# Altium PCB KOntroler v.1.1.PcbDoc (part 2 of 2)
Units mm, origin at the board's own origin, x right, y up, seen from the top; angles counter-clockwise.
Board outline 132.08 x 83 mm, 2 copper layers (Top Layer, Bottom Layer); 116 components, 97 nets, 484 pads, 241 vias.
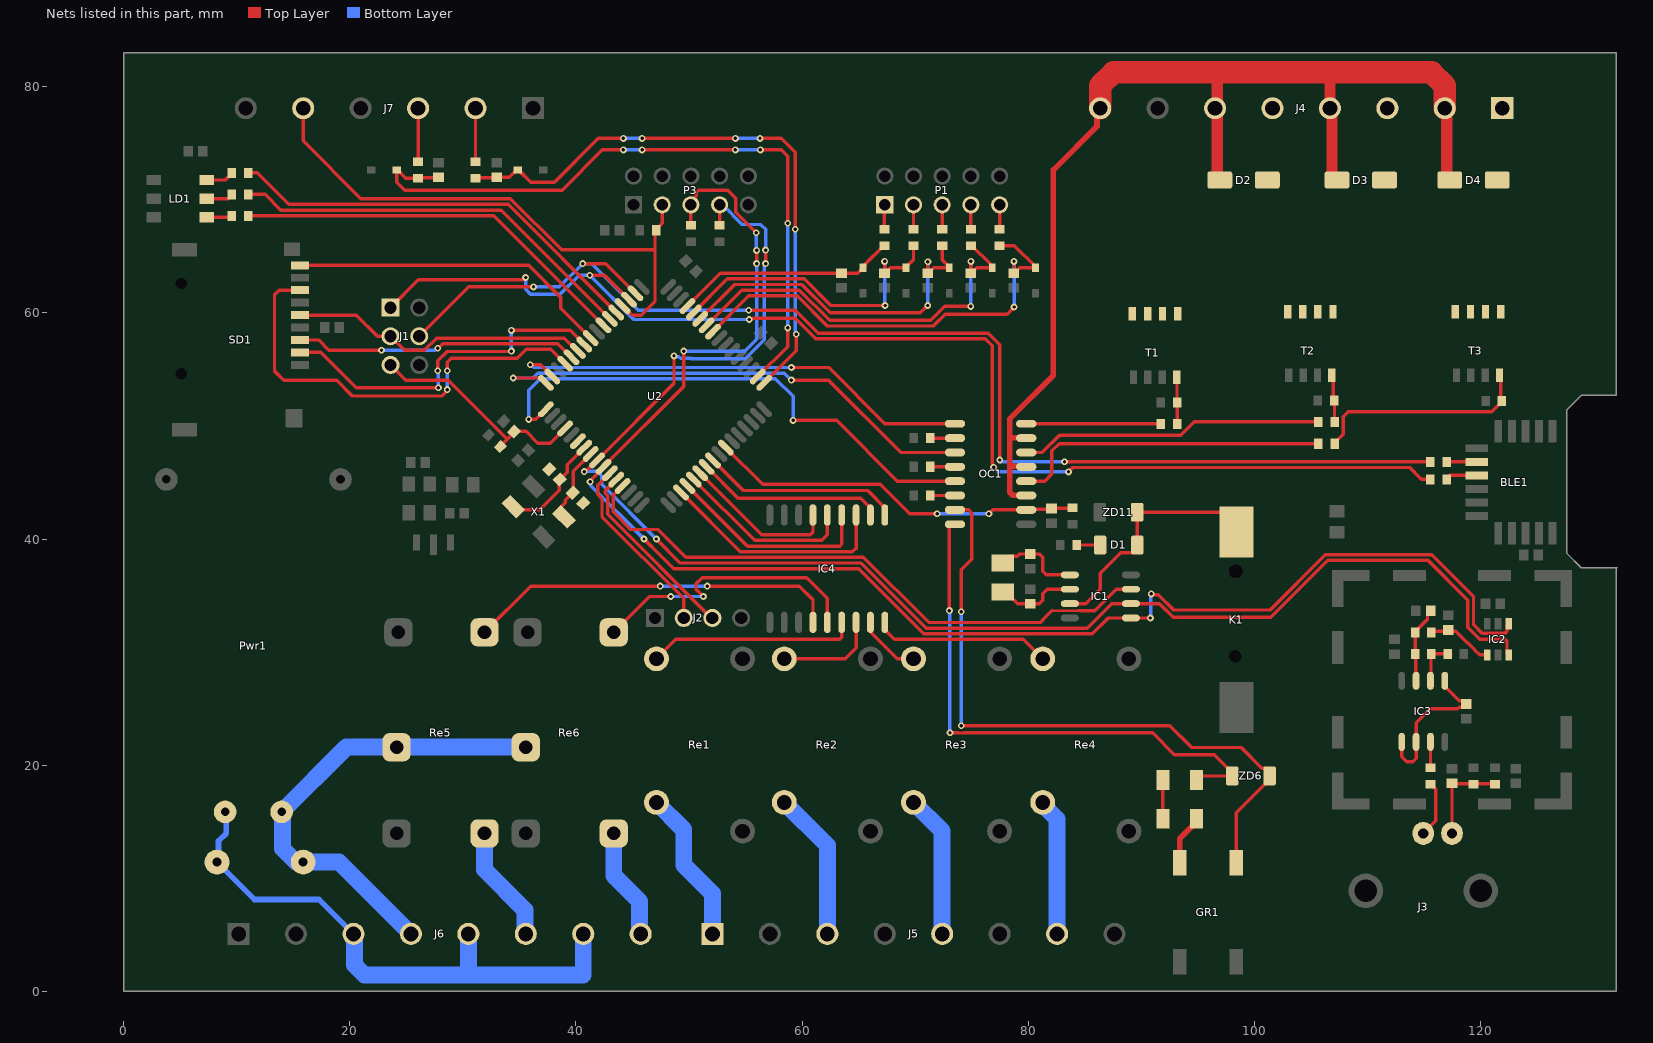
[diagram p2: the nets of this part, all layers, seen from the top]

## Via types
v1: diameter 0.6, hole 0.3, Top Layer to Bottom Layer, tented both sides, 225 vias
v2: diameter 0.6, hole 0.3, Top Layer to Bottom Layer, 10 vias
v3: diameter 7, hole 7, Top Layer to Bottom Layer, tented both sides, 4 vias
v4: diameter 1, hole 0.5, Top Layer to Bottom Layer, tented both sides, 2 vias

## Nets (pads, with @x,y where several pads share a name; then routed paths per layer and width w, separated by ;. In a path a pad name is that pad's centre, name@x,y a point inside that pad or via, vN(x,y) a via of type N, cw(c..) or ccw(c..) an arc to the next point about the centre after c; other vN are vias at no path point) (continued)
GND2: D2.1 D3.1 D4.1 J4.2 J4.4 J4.6 J4.8 OC1.11 OC1.13 OC1.15 | length 103.7
  Top Layer w0.5: OC1.11@79.818,43.85 79.78,43.888 78.604,43.888 78.35,44.143 78.35,46.428 78.35,46.613 ; OC1.13@79.818,46.39 79.78,46.428 78.534,46.428 78.35,46.613 ; OC1.15@79.818,48.93 79.78,48.968 78.407,48.968 78.35,49.025 ; J4.8@86.36,78.105 86.083,77.828 86.083,76.514 82.218,72.649 82.218,54.49 78.35,50.622 78.35,49.025 ; 78.35,46.613 78.35,49.025
  Top Layer w1: 96.702,81.28 96.702,78.287 J4.6@96.52,78.105 96.702,77.923 96.702,71.998 D2.1@96.945,71.755 ; 106.397,81.28 106.68,80.997 J4.4@106.68,78.105 106.862,77.923 106.862,72.005 107.112,71.755 D3.1@107.31,71.755 ; J4.2@116.84,78.105 117.022,77.923 117.022,72.005 117.272,71.755 D4.1@117.28,71.755
  Top Layer w2: J4.8@86.36,78.105 86.36,80.108 87.532,81.28 96.702,81.28 106.397,81.28 115.668,81.28 116.84,80.108 J4.2@116.84,78.105
GND_X: C17.1 C18.1 U2.22
NetBLE1_7: BLE1.7 R10.1 | length 2.7
  Top Layer w0.3: R10.1@117.001,46.83 BLE1.7@119.665,46.83
NetBLE1_8: BLE1.8 R11.1 | length 2.9
  Top Layer w0.3: R11.1@117,45.28 117,45.355 117.275,45.63 BLE1.8@119.665,45.63
NetC6_1: C6.1 R4.1 U2.61 ZD1.2 | length 19.8
  Top Layer w0.3: U2.61@49.854,60.604 52.765,63.515 C6.1@63.481,63.515 64.911,63.515 65.161,63.765 65.236,63.765 65.386,63.915 ZD1.2@65.386,63.99 65.536,64.14 65.536,64.284 67.203,65.95 R4.1@67.278,65.95
NetC7_1: C7.1 R5.1 U2.60 ZD2.2 | length 28.4
  Top Layer w0.3: U2.60@50.419,60.038 53.396,63.015 60.172,63.015 62.53,60.657 v1(67.341,60.657) ; v1(67.291,64.559) C7.1@67.291,63.515 67.341,63.515 67.816,63.99 ZD2.2@69.196,63.99 69.196,64.065 69.85,64.719 R5.1@69.85,65.95
  Bottom Layer w0.3: v1(67.291,64.559) 67.316,64.534 67.316,60.682 v1(67.341,60.657)
NetC8_1: C8.1 R6.1 U2.59 ZD3.2 | length 31.9
  Top Layer w0.3: U2.59@50.985,59.473 54.028,62.515 59.965,62.515 62.473,60.007 70.451,60.007 v1(71.101,60.657) ; v1(71.12,64.534) 71.12,63.534 C8.1@71.101,63.515 71.151,63.515 71.626,63.99 ZD3.2@73.006,63.99 73.006,64.065 72.39,64.681 R6.1@72.39,65.95
  Bottom Layer w0.3: v1(71.101,60.657) 71.111,60.666 71.111,64.525 v1(71.12,64.534)
NetC9_1: C9.1 R7.1 U2.58 ZD4.2 | length 36.2
  Top Layer w0.3: U2.58@51.551,58.907 54.659,62.015 59.758,62.015 62.429,59.344 71.387,59.344 72.618,60.575 v1(74.911,60.575) ; v1(74.93,64.559) 74.93,63.534 C9.1@74.911,63.515 74.961,63.515 75.436,63.99 ZD4.2@76.816,63.99 76.666,64.14 76.666,64.289 75.005,65.95 R7.1@74.93,65.95
  Bottom Layer w0.3: v1(74.911,60.575) 74.921,60.584 74.921,64.55 v1(74.93,64.559)
NetC10_1: C10.1 R8.1 U2.57 ZD5.2 | length 41
  Top Layer w0.3: U2.57@52.117,58.341 55.29,61.515 59.551,61.515 62.222,58.844 71.594,58.844 72.647,59.897 78.123,59.897 v1(78.75,60.524) ; R8.1@77.47,65.95 78.76,65.95 80.645,64.065 ZD5.2@80.645,63.99 79.246,63.99 78.771,63.515 C10.1@78.721,63.515 78.74,63.534 v1(78.74,64.559)
  Bottom Layer w0.3: v1(78.74,64.559) 78.745,64.554 78.745,60.529 v1(78.75,60.524)
NetC11_2: C11.2 J1.5 R9.1 U2.20 | length 20.4
  Top Layer w0.3: J1.5@23.595,55.397 24.947,54.045 28.706,54.045 33.912,48.839 ; R9.1@33.304,48.178 33.304,48.231 33.912,48.839 ; U2.20@39.035,49.785 37.74,48.49 36.635,48.49 35.589,49.536 34.556,49.536 C11.2@34.521,49.501 34.521,49.448 33.912,48.839
NetC14_1: C14.1 R13.1 U2.50 ZD7.2 | length 62.2
  Top Layer w0.3: C14.1@27.832,71.992 27.794,71.955 26.075,71.955 R13.1@26.037,71.917 24.954,71.917 24.229,72.642 ZD7.2@24.154,72.642 24.154,71.567 24.856,70.866 38.78,70.866 42.336,74.422 v1(44.194,74.422) ; v1(45.845,74.422) v1(54.102,74.422) ; U2.50@56.076,54.381 58.72,57.025 v1(58.72,58.677) ; v1(56.306,74.422) 58.166,74.422 58.72,73.868 v1(58.72,67.93)
  Bottom Layer w0.3: v1(44.194,74.422) v1(45.845,74.422) ; v1(54.102,74.422) v1(56.306,74.422) ; v1(58.72,58.677) v1(58.72,67.93)
NetC15_1: C15.1 R12.1 U2.49 ZD8.2 | length 52.7
  Top Layer w0.3: R12.1@31.115,71.917 31.152,71.955 32.948,71.955 C15.1@32.986,71.992 34.113,71.992 34.763,72.642 ZD8.2@34.838,72.642 34.913,72.642 35.988,71.568 38.098,71.568 41.969,75.438 v1(44.194,75.438) ; v1(45.845,75.438) v1(54.102,75.438) ; v1(56.271,75.438) 58.166,75.438 59.39,74.214 v1(59.39,67.4) ; U2.49@56.642,53.816 59.478,56.652 v1(59.478,58.111)
  Bottom Layer w0.3: v1(44.194,75.438) v1(45.845,75.438) ; v1(54.102,75.438) v1(56.271,75.438) ; v1(59.39,67.4) 59.39,58.199 v1(59.478,58.111)
NetC17_2: C17.2 U2.24 X1.2 | length 6.8
  Top Layer w0.3: X1.2@38.94,41.967 38.657,42.25 38.657,42.816 39.067,43.225 39.067,43.445 C17.2@39.721,44.099 39.756,44.135 39.756,45.981 U2.24@41.298,47.522
NetC18_2: C18.2 U2.23 X1.1 | length 9.6
  Top Layer w0.3: X1.1@34.45,42.865 34.733,42.582 36.8,42.582 38.524,44.306 38.524,45.225 C18.2@38.56,45.26 39.223,45.924 39.223,46.579 U2.23@40.732,48.088
NetC26_1: C26.1 IC1.1 X2.2 | length 7.8
  Top Layer w0.3: X2.2@77.75,37.866 78.35,38.466 79.041,38.466 79.255,38.68 C26.1@80.18,38.68 80.982,38.68 81.28,38.382 81.28,37.145 81.595,36.83 IC1.1@83.68,36.83
NetC27_1: C27.1 IC1.2 X2.1 | length 7.2
  Top Layer w0.3: X2.1@77.75,35.326 78,35.326 79.051,34.275 C27.1@80.18,34.275 80.965,34.275 81.28,34.59 81.28,35.157 81.683,35.56 IC1.2@83.68,35.56
NetC28_2: C28.2 IC3.1 IC3.2 IC3.5 | length 14.2
  Top Layer w0.3: IC3.1@113.03,22.065 113.03,20.75 113.46,20.32 114.01,20.32 114.3,20.61 IC3.2@114.3,22.065 114.3,23.735 115.555,24.99 117.95,24.99 118.1,25.14 118.47,25.14 C28.2@118.745,25.415 118.47,25.69 118.115,25.69 116.84,26.965 IC3.5@116.84,27.465
NetC30_2: C30.2 IC2.1 R20.2 | length 5.9
  Top Layer w0.3: R20.2@115.66,31.75 115.765,31.855 117.76,31.855 117.81,31.855 118.823,30.842 118.857,30.842 119.486,30.214 119.486,30.186 119.917,29.755 IC2.1@120.589,29.755
NetC31_2: C31.2 IC3.7 R20.1 R22.1 | length 6.8
  Top Layer w0.3: IC3.7@114.3,27.465 114.255,27.51 114.255,29.8 R22.1@114.21,29.845 R20.1@114.21,31.75 114.21,31.825 115.31,32.925 115.31,33.38 C31.2@115.585,33.655
NetC32_2: C32.2 J3.2 R19.2 R23.1 | length 8.3
  Top Layer w0.3: J3.2@117.475,13.97 C32.2@117.475,18.4 117.513,18.363 121.247,18.363 R19.2@121.285,18.325
NetC33_2: C33.2 OC1.10 R35.1 U2.42 | length 32.9
  Top Layer w0.3: U2.42@53.248,48.088 56.499,44.837 66.903,44.837 69.51,42.23 71.576,42.23 ; v1(76.516,42.23) 76.866,42.58 OC1.10@79.818,42.58 79.878,42.64 81.998,42.64 C33.2@82.058,42.7 82.088,42.73 83.877,42.73 R35.1@83.906,42.76
  Bottom Layer w0.3: v1(71.94,42.23) v1(76.516,42.23)
NetD1_1: D1.1 R18.1 | length 2.1
  Top Layer w0.3: R18.1@84.281,39.476 D1.1@86.351,39.476
NetD1_2: D1.2 IC1.3 K1.1 ZD11.2 | length 21.8
  Top Layer w0.3: IC1.3@83.68,34.29 85.09,34.29 86.38,35.58 86.38,36.99 86.764,37.374 88.191,38.801 89.251,38.801 89.651,39.201 D1.2@89.651,39.476 89.641,39.486 89.641,42.364 ZD11.2@89.63,42.375 97.075,42.375 98.425,41.025 K1.1@98.425,40.62
NetD2_2: D2.2 J4.5 T1.3
NetD3_2: D3.2 J4.3 T2.3
NetD4_2: D4.2 J4.1 T3.3
NetGR1_1: GR1.1 OC1.7 ZD6.2 | length 59
  Top Layer w0.3: OC1.7@73.518,42.58 74.716,42.58 75.005,42.291 75.005,38.212 74.068,37.275 v1(74.068,33.58) ; v1(74.068,23.495) 92.512,23.495 94.442,21.565 98.83,21.565 100.67,19.725 100.945,19.725 101.345,19.325 ZD6.2@101.345,19.05 101.345,18.775 98.385,15.815 GR1.1@98.385,11.36
  Bottom Layer w0.3: v1(74.068,23.495) v1(74.068,33.58)
NetGR1_2: GR1.2 R32.1 | length 4.5
  Top Layer w0.5: GR1.2@93.385,11.36 93.385,13.495 94.86,14.97 R32.1@94.86,15.27
NetIC1_5: IC1.5 IC2.4 P3.5 R2.1 U2.26 | length 139.4
  Top Layer w0.3: v1(41.245,45.065) 41.245,45.139 42.429,46.323 U2.26@42.429,46.391 49.53,53.492 v1(49.53,56.625) ; v1(46.015,40.005) 47.457,38.563 47.457,38.56 48.637,37.38 65.01,37.38 70.765,31.625 85.66,31.625 87.055,33.02 IC1.5@89.08,33.02 v1(90.805,33.02) ; R2.1@50.165,67.75 P3.5@50.165,69.565 50.165,69.895 50.632,70.362 50.632,70.654 50.844,70.866 53.426,70.866 54.135,70.157 54.135,68.891 v1(55.935,67.091) ; v1(55.972,64.365) v1(55.972,65.532) ; v1(90.88,35.15) 90.937,35.093 91.513,35.093 92.877,33.729 101.387,33.729 106.283,38.625 115.67,38.625 119.38,34.915 119.38,32.403 120.128,31.655 122.163,31.655 122.339,31.831 122.339,32.355 IC2.4@122.489,32.505
  Bottom Layer w0.3: v1(41.245,45.065) 41.303,45.008 41.303,44.717 v1(46.015,40.005) ; v1(49.53,56.625) 54.94,56.625 55.972,57.658 v1(55.972,64.365) ; v1(55.935,67.091) 55.954,67.073 55.954,65.551 v1(55.972,65.532) ; v1(90.805,33.02) 90.843,33.058 90.843,35.112 v1(90.88,35.15)
NetIC1_6: IC1.6 IC2.3 P3.7 R1.1 U2.25 | length 135.9
  Top Layer w0.3: v1(40.732,45.967) 40.806,45.967 41.796,46.957 U2.25@41.863,46.957 48.669,53.763 v1(48.669,56.197) ; v1(47.115,40.005) 49.24,37.88 65.217,37.88 70.972,32.125 85.22,32.125 87.385,34.29 IC1.6@89.08,34.29 91.608,34.29 92.83,33.068 101.434,33.068 106.49,38.125 115.355,38.125 118.88,34.6 118.88,32.195 119.92,31.155 122.163,31.155 122.339,30.979 122.339,29.905 IC2.3@122.489,29.755 ; R1.1@52.682,67.75 52.705,67.773 P3.7@52.705,69.565 ; v1(56.772,64.365) v1(56.772,65.554)
  Bottom Layer w0.3: v1(40.732,45.967) 40.747,45.982 41.91,45.982 42.273,45.619 42.273,44.847 v1(47.115,40.005) ; v1(48.669,56.197) 48.727,56.14 49.096,56.14 49.261,55.975 50.153,55.975 50.165,55.963 54.985,55.963 56.642,57.62 56.642,64.235 v1(56.772,64.365) ; P3.7@52.705,69.565 52.961,69.565 54.708,67.818 56.342,67.818 56.772,67.388 v1(56.772,65.554)
NetIC1_7: IC1.7 U2.29 | length 53.7
  Top Layer w0.25: 82.088,33.67 82.093,33.665 84.439,33.665 84.444,33.67 84.656,33.67
  Top Layer w0.3: U2.29@44.126,44.694 43.3,43.868 43.3,42.401 44.859,40.843 47.264,40.843 49.727,38.38 65.424,38.38 71.179,32.625 81.104,32.625 81.28,32.801 81.28,32.862 82.088,33.67 ; 84.656,33.67 85.892,33.67 87.782,35.56 IC1.7@89.08,35.56
NetIC3_3: IC3.3 R21.2 | length 2.3
  Top Layer w0.3: R21.2@115.57,19.775 IC3.3@115.57,22.065
NetIC3_6: IC3.6 R22.2 R24.1 | length 4.1
  Top Layer w0.3: IC3.6@115.57,27.465 115.615,27.51 115.615,29.8 R22.2@115.66,29.845 R24.1@117.385,29.845
NetIC4_1: IC4.1 U2.40 | length 17.6
  Top Layer w0.3: U2.40@52.117,46.957 54.776,44.297 65.793,44.297 67.31,42.78 IC4.1@67.31,42.13
NetIC4_2: IC4.2 U2.39 | length 16.6
  Top Layer w0.3: U2.39@51.551,46.391 54.326,43.616 65.204,43.616 66.04,42.78 IC4.2@66.04,42.13
NetIC4_3: IC4.3 U2.35 | length 20.7
  Top Layer w0.3: U2.35@49.288,44.128 54.536,38.88 64.449,38.88 64.77,39.201 IC4.3@64.77,42.13
NetIC4_4: IC4.4 U2.36 | length 18.5
  Top Layer w0.3: U2.36@49.854,44.694 55.168,39.38 63.311,39.38 63.5,39.569 IC4.4@63.5,42.13
NetIC4_5: IC4.5 U2.37 | length 16
  Top Layer w0.3: U2.37@50.419,45.26 55.799,39.88 61.738,39.88 62.23,40.372 IC4.5@62.23,42.13
NetIC4_6: IC4.6 U2.38 | length 13.8
  Top Layer w0.3: U2.38@50.985,45.825 56.431,40.38 60.717,40.38 60.96,40.623 IC4.6@60.96,42.13
NetIC4_13: IC4.13 Re5.2 | length 33.2
  Top Layer w0.3: Re5.2@31.91,31.75 36.004,35.844 v1(47.457,35.844) ; v1(51.604,35.844) 59.741,35.844 60.96,34.625 IC4.13@60.96,32.63
  Bottom Layer w0.3: v1(47.457,35.844) v1(51.604,35.844)
NetIC4_14: IC4.14 Re6.2 | length 25.4
  Top Layer w0.3: Re6.2@43.34,31.75 46.515,34.925 v1(48.387,34.925) ; v1(51.27,34.925) 50.614,35.581 50.614,36.04 51.17,36.596 60.391,36.596 62.23,34.757 IC4.14@62.23,32.63
  Bottom Layer w0.3: v1(48.387,34.925) v1(51.27,34.925)
NetIC4_15: IC4.15 Re1.2 | length 18.5
  Top Layer w0.3: Re1.2@47.115,29.41 48.83,31.125 63.324,31.125 63.5,31.301 IC4.15@63.5,32.63
NetIC4_16: IC4.16 Re2.2 | length 9
  Top Layer w0.3: Re2.2@58.42,29.41 63.8,29.41 64.77,30.38 IC4.16@64.77,32.63
NetIC4_17: IC4.17 Re3.2 | length 5.6
  Top Layer w0.3: IC4.17@66.04,32.63 66.097,32.573 66.097,31.713 68.4,29.41 Re3.2@69.85,29.41
NetIC4_18: IC4.18 Re4.2 | length 15.7
  Top Layer w0.3: IC4.18@67.31,32.63 67.31,31.98 68.165,31.125 79.565,31.125 Re4.2@81.28,29.41
NetJ1_1: J1.1 R11.2 U2.3 | length 113.5
  Top Layer w0.3: J1.1@23.595,60.477 26.037,62.92 35.332,62.92 v1(35.542,63.13) ; v1(41.21,63.34) 42.522,63.34 U2.3@44.692,61.17 ; v1(55.316,59.419) 55.374,59.477 55.586,59.477 55.634,59.526 59.39,59.526 61.216,57.7 76.2,57.7 76.816,57.083 76.816,53.116 76.82,53.113 76.82,46.721 76.875,46.666 76.875,46.412 v1(76.933,46.355) ; v1(83.556,45.94) 83.946,46.33 113.725,46.33 114.775,45.28 R11.2@115.55,45.28
  Bottom Layer w0.3: v1(35.542,63.13) 35.542,62.086 35.977,61.651 38.584,61.651 40.272,63.34 v1(41.21,63.34) 45.13,59.419 v1(55.316,59.419) ; v1(76.933,46.355) 77.348,45.94 v1(83.556,45.94)
NetJ1_3: J1.3 SD1.5 U2.11 | length 26.8
  Top Layer w0.3: SD1.5@15.58,59.81 20.572,59.81 22.444,57.937 J1.3@23.595,57.937 24.835,56.697 26.597,56.697 27.676,57.775 38.967,57.775 40.099,56.644 U2.11@40.166,56.644
NetJ1_4: J1.4 R10.2 U2.2 | length 111.1
  Top Layer w0.3: J1.4@26.135,57.937 30.499,62.301 v1(36.246,62.301) ; v1(40.591,64.365) 42.628,64.365 U2.2@45.258,61.735 ; v1(55.281,60.233) 59.39,60.233 61.423,58.2 76.455,58.2 77.47,57.185 v1(77.47,46.99) ; v1(83.206,46.84) 83.216,46.83 R10.2@115.551,46.83
  Bottom Layer w0.3: v1(36.246,62.301) 38.527,62.301 v1(40.591,64.365) 41.385,64.365 45.518,60.233 v1(55.281,60.233) ; v1(77.47,46.99) 77.62,46.84 v1(83.206,46.84)
NetJ2_2: J2.2 U2.27 | length 16.4
  Top Layer w0.3: U2.27@42.995,45.825 41.917,44.747 41.917,43.961 42.296,43.582 42.296,41.991 49.53,34.757 J2.2@49.53,33.02
NetJ2_3: J2.3 U2.28 | length 16.6
  Top Layer w0.3: U2.28@43.561,45.26 42.598,44.297 42.598,44.048 42.8,43.845 42.8,42.194 51.974,33.02 J2.3@52.07,33.02
NetJ3_1: J3.1 R21.1 | length 5
  Top Layer w0.3: J3.1@114.935,13.97 116.035,15.07 116.035,17.86 115.87,18.025 115.87,18.1 115.645,18.325 R21.1@115.57,18.325
NetJ5_1: J5.1 Re1.4 | length 13.7
  Bottom Layer w1.5: Re1.4@47.115,16.71 49.53,14.295 49.53,11.176 52.07,8.636 J5.1@52.07,5.08
NetJ5_3: J5.3 Re2.4 | length 13.2
  Bottom Layer w1.5: Re2.4@58.42,16.71 62.23,12.9 J5.3@62.23,5.08
NetJ5_5: J5.5 Re3.4 | length 12.7
  Bottom Layer w1.5: Re3.4@69.85,16.71 72.39,14.17 J5.5@72.39,5.08
NetJ5_7: J5.7 Re4.4 | length 12.2
  Bottom Layer w1.5: Re4.4@81.28,16.71 81.28,16.521 82.55,15.251 J5.7@82.55,5.08
NetJ6_6: J6.6 Re5.4 | length 10.4
  Bottom Layer w1.5: Re5.4@31.91,13.97 31.91,10.762 35.474,7.198 35.474,5.166 J6.6@35.56,5.08
NetJ6_8: J6.8 Re6.4 | length 9.9
  Bottom Layer w1.5: Re6.4@43.34,13.97 43.34,10.254 45.634,7.96 45.634,5.166 J6.8@45.72,5.08
NetJ7_2: J7.2 R12.2 | length 4.7
  Top Layer w0.3: R12.2@31.115,73.367 J7.2@31.115,78.105
NetJ7_3: J7.3 R13.2 | length 4.7
  Top Layer w0.3: J7.3@26.035,78.105 26.035,73.37 R13.2@26.037,73.367
NetJ7_5: J7.5 P3.3 R3.1 U2.4 | length 50.5
  Top Layer w0.3: J7.5@15.875,78.105 15.875,75.209 20.979,70.105 34.201,70.105 38.731,65.575 46.99,65.575 ; U2.4@44.126,60.604 44.194,60.604 44.989,59.808 45.768,59.808 46.99,61.03 46.99,65.575 ; P3.3@47.625,69.565 47.625,67.93 47.08,67.385 R3.1@47.08,67.31 46.99,67.22 46.99,65.575
NetLD1_1: LD1.1 R15.2 | length 2.2
  Top Layer w0.3: LD1.1@7.352,68.455 9.422,68.455 R15.2@9.547,68.58
NetLD1_2: LD1.2 R16.2 | length 2.4
  Top Layer w0.3: LD1.2@7.352,70.105 9.242,70.105 9.547,70.41 R16.2@9.547,70.485
NetLD1_3: LD1.3 R17.2 | length 2.5
  Top Layer w0.3: LD1.3@7.352,71.755 8.987,71.755 9.547,72.315 R17.2@9.547,72.39
NetOC1_1: OC1.1 U2.15 | length 42.1
  Top Layer w0.3: v1(35.963,55.41) 36.875,55.41 U2.15@37.904,54.381 ; v1(59.055,55.177) 62.34,55.177 67.317,50.2 OC1.1@73.518,50.2
  Bottom Layer w0.3: v1(35.963,55.41) 36.044,55.41 36.278,55.177 v1(59.055,55.177)
NetOC1_2: OC1.2 R29.2 | length 2.2
  Top Layer w0.3: R29.2@71.335,48.93 OC1.2@73.518,48.93
NetOC1_3: OC1.3 U2.16 | length 45.2
  Top Layer w0.3: v1(34.45,54.248) 36.906,54.248 U2.16@37.338,53.816 ; v1(59.055,54.06) 62.331,54.06 68.731,47.66 OC1.3@73.518,47.66
  Bottom Layer w0.3: v1(34.45,54.248) 36.206,54.248 36.635,54.677 58.438,54.677 v1(59.055,54.06)
NetOC1_4: OC1.4 R30.2 | length 2.2
  Top Layer w0.3: R30.2@71.335,46.39 OC1.4@73.518,46.39
NetOC1_5: OC1.5 U2.17 | length 47.6
  Top Layer w0.3: v1(35.822,50.581) 36.436,50.581 U2.17@37.338,51.482 ; v1(59.198,50.492) 63.049,50.492 68.421,45.12 OC1.5@73.518,45.12
  Bottom Layer w0.3: v1(35.822,50.581) 35.822,53.157 36.842,54.177 57.642,54.177 59.198,52.621 v1(59.198,50.492)
NetOC1_6: OC1.6 R31.2 | length 2.2
  Top Layer w0.3: R31.2@71.335,43.85 OC1.6@73.518,43.85
NetOC1_8: OC1.8 R14.2 ZD6.1 | length 48.9
  Top Layer w0.3: v1(73.029,33.67) 73.029,41.081 73.258,41.31 OC1.8@73.518,41.31 ; v1(73.079,22.87) 73.089,22.86 73.784,22.86 73.799,22.845 74.337,22.845 74.352,22.86 91,22.86 92.93,20.93 96.44,20.93 98.045,19.325 ZD6.1@98.045,19.05 95.21,19.05 R14.2@94.86,18.7
  Bottom Layer w0.3: v1(73.029,33.67) 73.054,33.645 73.054,22.895 v1(73.079,22.87)
NetOC1_12: OC1.12 R34.1 | length 28.4
  Top Layer w0.3: OC1.12@79.818,45.12 81.458,45.12 82.093,45.755 82.093,47.8 82.725,48.433 R34.1@105.655,48.433
NetOC1_14: OC1.14 R28.1 | length 27
  Top Layer w0.3: OC1.14@79.818,47.66 81.245,47.66 82.762,49.177 93.493,49.177 94.678,50.363 R28.1@105.655,50.363
NetOC1_16: OC1.16 R26.1 | length 11.9
  Top Layer w0.3: OC1.16@79.818,50.2 91.726,50.2 R26.1@91.735,50.19
NetP1_1: P1.1 R4.2 | length 2.2
  Top Layer w0.3: R4.2@67.278,67.4 67.278,69.533 P1.1@67.31,69.565
NetP1_3: P1.3 R5.2 | length 2.2
  Top Layer w0.3: R5.2@69.85,67.4 P1.3@69.85,69.565
NetP1_5: P1.5 R6.2 | length 2.2
  Top Layer w0.3: R6.2@72.39,67.4 P1.5@72.39,69.565
NetP1_7: P1.7 R7.2 | length 2.2
  Top Layer w0.3: R7.2@74.93,67.4 P1.7@74.93,69.565
NetP1_9: P1.9 R8.2 | length 2.2
  Top Layer w0.3: R8.2@77.47,67.4 P1.9@77.47,69.565
NetR14_1: R14.1 R32.2 | length 3.4
  Top Layer w0.3: R32.2@91.91,15.27 R14.1@91.91,18.7
NetR15_1: R15.1 U2.7 | length 35.5
  Top Layer w0.3: R15.1@10.997,68.58 11.012,68.595 32.741,68.595 U2.7@42.429,58.907
NetR16_1: R16.1 U2.6 | length 36.6
  Top Layer w0.3: R16.1@10.997,70.485 12.505,70.485 13.895,69.095 33.372,69.095 U2.6@42.995,59.473
NetR17_1: R17.1 U2.5 | length 37.7
  Top Layer w0.3: R17.1@10.997,72.39 11.808,72.39 14.603,69.595 34.004,69.595 U2.5@43.561,60.038
NetR25_1: R25.1 R26.2 T1.2 | length 4.2
  Top Layer w0.3: T1.2@93.12,54.325 93.153,54.293 93.153,52.103 R25.1@93.185,52.07 R26.2@93.185,50.19
NetR27_1: R27.1 R28.2 T2.2 | length 4.2
  Top Layer w0.3: T2.2@106.85,54.498 106.958,54.39 106.958,52.35 R27.1@107.065,52.243 107.085,52.223 107.085,50.383 R28.2@107.105,50.363
NetR33_1: R33.1 R34.2 T3.2 | length 19.7
  Top Layer w0.3: R34.2@107.105,48.433 107.105,48.508 107.875,49.277 107.875,50.813 108.309,51.247 120.989,51.247 121.89,52.148 R33.1@121.89,52.223 121.785,52.328 121.785,54.393 T3.2@121.68,54.498
NetSD1_2: SD1.2 U2.10 | length 31.6
  Top Layer w0.3: SD1.2@15.58,56.51 17.427,56.51 20.546,53.391 v1(27.832,53.391) ; v1(27.769,54.879) 27.769,55.755 28.605,56.591 34.256,56.591 v1(34.29,56.625) ; v1(34.29,58.451) 39.49,58.451 U2.10@40.732,57.21
  Bottom Layer w0.3: v1(27.769,54.879) 27.8,54.848 27.8,53.423 v1(27.832,53.391) ; v1(34.29,56.625) v1(34.29,58.451)
NetSD1_3: SD1.3 U2.12 | length 25.1
  Top Layer w0.3: SD1.3@15.58,57.61 17.231,57.61 18.144,56.697 v1(22.795,56.697) ; v1(27.769,56.874) 27.824,56.874 28.225,57.275 38.404,57.275 U2.12@39.601,56.078
  Bottom Layer w0.3: v1(22.795,56.697) 27.511,56.697 27.688,56.874 v1(27.769,56.874)
NetSD1_7: SD1.7 U2.13 | length 39.5
  Top Layer w0.3: SD1.7@15.58,62.01 13.75,62.01 13.335,61.595 13.335,54.864 14.154,54.045 18.836,54.045 20.232,52.649 28.165,52.649 28.165,52.69 28.613,53.138 v1(28.613,53.219) ; v1(28.605,54.894) 28.623,54.912 28.623,55.644 28.955,55.975 34.798,55.975 35.598,56.775 37.772,56.775 U2.13@39.035,55.513
  Bottom Layer w0.3: v1(28.605,54.894) 28.609,54.89 28.609,53.223 v1(28.613,53.219)
NetSD1_9: SD1.9 U2.9 | length 28.9
  Top Layer w0.3: SD1.9@15.58,64.21 35.818,64.21 38.664,61.364 38.664,60.409 U2.9@41.298,57.775
"UPS L": J6.4 Pwr1.1 Re5.3 Re6.3 VAR1.2 | length 41.7
  Bottom Layer w1.5: J6.4@25.4,5.08 19.05,11.43 VAR1.2@15.875,11.43 15.24,11.43 14.045,12.625 14.045,15.8 Pwr1.1@13.97,15.875 19.685,21.59 Re5.3@24.13,21.59 Re6.3@35.56,21.59
"UPS N": J6.3 J6.5 J6.7 Pwr1.2 VAR1.1 | length 50.2
  Bottom Layer w0.5: Pwr1.2@8.97,15.875 9.066,15.779 9.066,13.97 8.389,13.293 8.389,11.564 VAR1.1@8.255,11.43 11.557,8.128 17.272,8.128 J6.3@20.32,5.08
  Bottom Layer w1.5: J6.3@20.32,5.08 20.406,4.994 20.406,2.329 21.285,1.45 30.48,1.45 ; J6.5@30.48,5.08 30.48,1.45 ; J6.7@40.64,5.08 40.64,1.45 30.48,1.45
pads on no net: BLE1.1 BLE1.3 BLE1.4 BLE1.5 BLE1.6 BLE1.9 BLE1.10 BLE1.11 BLE1.12 BLE1.15 BLE1.16 D1.0 D2.0 D3.0 D4.0 IC1.0 IC3.0 IC4.7 IC4.8 IC4.11 IC4.12 J3.0 J3.MH K1.27 K1.28 Re5.5 Re6.5 SD1.1 SD1.8 T1. T2. T3. U2.1 U2.8 U2.14 U2.18 U2.19 U2.30 U2.31 U2.32 U2.33 U2.34 U2.41 U2.43 U2.44 U2.45 U2.46 U2.47 U2.48 U2.51 U2.54 U2.55 U2.56 X1. ZD6.0 ZD11.0
copper on no net:
  other v1: 126.425,38.125 28.119,46.57 125.165,51.435
  other v3: 3.81,3.81 128.27,3.81 3.81,78.74 128.27,78.74

## Polygon pours and split planes (outlines as drawn)
no net on Top Overlay "NONET_L-01_P-001" (solid, remove dead copper): 38.1,48.26
GND on Top Layer "EXT_12/24V" (solid, remove dead copper, pour order 8): 0,27.686 38.885,27.686 43.965,22.606 102.1,22.606 104.14,20.566 104.14,-0.254 132.08,-0.254 132,-0.174 132,82.746 0,82.746
NetD4_2 on Top Layer "EXT_12/24V" (solid, remove dead copper, pour order 5): 114.21,55.801 122.071,55.801 122.789,55.084 122.789,53.301 123.571,52.519 126.696,52.519 130.175,55.998 130.175,73.025 128.27,74.93 126.365,74.93 124.46,76.835 124.46,80.01 123.19,81.28 118.608,81.28 117.425,80.097 117.425,72.975 113.665,69.215
NetD3_2 on Top Layer "EXT_12/24V" (solid, remove dead copper, pour order 4): 99.045,55.801 114.21,55.801 114.21,68.57 116.84,71.2 116.367,71.673 116.367,80.07 104.243,80.07 104.183,80.01 104.285,79.908 104.285,71.12 103.535,71.12 97.99,65.575 98.425,65.14 98.425,56.191
NetD2_2 on Top Layer "EXT_12/24V" (solid, remove dead copper, pour order 3): 88.662,55.748 99.045,55.748 99.045,65.3 104.945,71.2 104.945,80.07 97.534,80.07 97.495,80.108 97.456,80.07 96.702,80.07 96.702,76.719 96.52,76.537 92.897,76.537 92.897,76.156 86.36,69.619 86.38,69.599 86.38,57.998
EXT_12/24V on Top Layer "EXT_12/24V" (solid, remove dead copper, pour order 2): 82.831,72.43 82.831,54.189 85.4,51.62 120.266,51.62 121.165,52.519 121.165,56.247 117.672,56.247 117.022,55.597 88.489,55.597 86.764,57.323 86.764,69.619 94.615,77.47 94.615,80.645 91.047,80.645
GND_X on Top Layer "GND_X_L01_P001" (solid, remove dead copper, pour order 1): 40.992,49.686 39.212,47.907 39.035,47.907 38.651,47.522 36.535,47.522 32.366,43.353 32.366,42.471 36.783,38.055 37.707,38.055 41.917,42.265 41.917,43.481 40.56,44.837 40.56,46.402 42.418,48.26
GND_X on Top Layer "GND_X_L01_P000" (solid, remove dead copper, pour order 0): 30.133,48.932
GND on Bottom Layer "EXT_12/24V" (solid, remove dead copper, pour order 7): 0,27.94 38.885,27.94 43.965,22.86 102.1,22.86 104.14,20.82 104.14,0 132.08,0 132,0.08 132,83 0,83
GND on Bottom Layer "EXT_12/24V" (solid, remove dead copper, pour order 6): 0.635,28.575

## Keep-outs
Keep-Out Layer:
  lines w1: 132,37.385 132,0 0,0 0,83 132,83 ; 132,82.92 132,52.705 128.905,52.705 127.635,51.435 127.635,38.735 128.905,37.465 132.08,37.465

## Other copper
Top Layer:
  region net GND: 26.576,38.055 26.669,38.149 26.669,41.095 27.978,41.095 28.066,41.007 28.066,37.884
  region net EXT_12/24V: 120.989,55.54 120.989,53.177 120.865,53.301 116.645,53.301 116.645,55.247 116.84,55.442
  region net EXT_12/24V: 106.159,55.352 106.159,53.644 102.22,53.644 102.22,55.497
  region net EXT_12/24V: 92.456,53.086 92.456,55.152 92.429,55.179 88.561,55.179 88.561,53.619 88.054,53.113
  region net NetD4_2: 116.586,61.976 117.113,61.449 117.113,57.825 123.833,57.825 124.46,58.452 123.965,58.947 123.965,62.508
  region net NetD3_2: 101.6,61.976 101.6,58.452 107.825,58.452 107.825,61.575 107.99,61.74
  region net NetD2_2: 88.392,61.722 88.22,61.55 88.22,58.2 94.173,58.2 94.426,58.452 94.426,61.74
Bottom Layer:
  region net EXT_12/24V: 86.868,52.578 87.122,52.324 120.945,52.324 120.945,55.88 120.862,55.963 86.951,55.963 86.868,55.88

## Silkscreen, mask and mechanical layers (free items; w line width, h text height)
Top Overlay:
  text "LED2" at 113.835,62.773 h3 r90
  text "LED1" at 103.337,62.752 h3 r90
  text "LED3" at 123.94,62.646 h3 r90
  text "12/24V" at 92.552,61.515 h3 r90
  text "L_GND" at 87.192,61.433 h3 r90
  text "L_GND" at 97.79,61.433 h3 r90
  text "L_GND" at 108.006,61.366 h3 r90
  text "L_GND" at 117.976,61.26 h3 r90
Bottom Overlay:
  text "+3V3" at 44.569,73.66 h2 r270
  text "GND" at 47.109,73.66 h2 r270
  text "GND" at 49.552,73.66 h2 r270
  text "GND" at 52.092,73.66 h2 r270
  text "+5V0" at 54.729,73.66 h2 r270
  text "+3V3" at 66.794,73.66 h2 r270
  text "+3V3" at 69.334,73.66 h2 r270
  text "GND" at 71.874,73.66 h2 r270
  text "GND" at 74.414,73.66 h2 r270
  text "GND" at 76.954,73.66 h2 r270
  text "+3V3" at 9.852,69.342 h3 r270
  text "1wire" at 15.216,69.342 h3 r270
  text "GND" at 20.012,69.342 h3 r270
  text "GND" at 35.252,69.342 h3 r270
  text "T_feed" at 30.832,66.55 h3 r270
  text "T_lamp" at 25.649,66.265 h3 r270
  text "+3V3" at 44.347,63.958 h2 r270
  text "1wire" at 47.01,63.958 h2 r270
  text "SDA" at 49.552,63.958 h2 r270
  text "SCL" at 52.005,63.958 h2 r270
  text "+5V0" at 54.507,63.958 h2 r270
  text "ADC4" at 66.572,63.498 h2 r270
  text "ADC3" at 69.112,63.498 h2 r270
  text "ADC2" at 71.652,63.497 h2 r270
  text "ADC1" at 74.192,63.498 h2 r270
  text "ADC0" at 76.732,63.498 h2 r270
  text "GND_LED" at 85.917,63.5 h3 r270
  text "GND_LED" at 96.077,63.5 h3 r270
  text "GND_LED" at 106.237,63.5 h3 r270
  text "GND_LED" at 116.397,63.5 h3 r270
  text "ISP programmer" at 31.75,62.605 h2
  text "LED1_OUT" at 100.862,62.23 h3 r270
  text "LED2_OUT" at 111.317,62.23 h3 r270
  text "LED3_OUT" at 121.182,62.23 h3 r270
  text "MISO" at 21.93,59.933 h2
  text "+3V3" at 32.09,59.699 h2
  text "+12/24V_LED" at 90.702,59.69 h3 r270
  text "SCK" at 21.93,57.393 h2
  text "MOSI" at 32.366,57.159 h2
  text "RST" at 21.93,54.853 h2
  text "GND" at 31.91,54.619 h2
  text "Nextion display" at 57.15,39.745 h2
  text "+5V" at 47.436,38.1 h2 r90
  text "GND" at 55.295,38.1 h2 r90
  text "RXD" at 50.096,37.973 h2 r90
  text "TXD" at 52.636,37.973 h2 r90
  text "on UPS!" at 45.72,8.933 h2
  text "on UPS!" at 36.185,8.912 h2
  text "SKIMMER" at 68.75,7.642 h2
  text "CO2" at 77.47,7.642 h2
  text "HEATER" at 57.839,7.62 h2
  text "AUX" at 86.942,7.388 h2
  text "PUMP2" at 45.72,6.393 h2
  text "PUMP1" at 35.56,6.372 h2
  text "230V N" at 9.992,6.348 h2 r270
  text "230V L" at 13.285,6.347 h2 r270
  text "UPS N" at 19.652,6.35 h2 r270
  text "UPS L" at 24.732,6.35 h2 r270
  text "pH probe" at 118.535,4.165 h2
  text "N" at 30.843,2.54 h2
  text "L" at 35.56,2.54 h2
  text "N" at 41.329,2.54 h2
  text "L" at 46.015,2.54 h2
  text "L" at 52.07,2.54 h2
  text "N" at 57.642,2.54 h2
  text "L" at 62.23,2.54 h2
  text "N" at 67.999,2.54 h2
  text "L" at 72.39,2.54 h2
  text "N" at 78.159,2.54 h2
  text "L" at 82.55,2.54 h2
  text "N" at 88.319,2.54 h2

## Text inside footprints (layer, text, board x,y; h text height)
J1: Top Overlay "1" at 22.96,62.509 h1.2 r270; Top Overlay "6" at 25.627,54.127 h1.2 r270
J3: Top Overlay "BNC" at 118.17,5.156 h1.2 r180
K1: Top Overlay "+" at 102.475,40.695 h1.2 r90
LD1: Top Overlay "+G" at 6.452,72.155 h1.2 r180; Top Overlay "+R" at 6.452,70.455 h1.2 r180; Top Overlay "+B" at 6.452,68.855 h1.2 r180
P1: Top Overlay "9" at 79.59,70.105 h1.2 r180; Top Overlay "10" at 80.39,72.645 h1.2 r180; Top Overlay "2" at 65.95,72.645 h1.2 r180; Top Overlay "1" at 65.85,70.105 h1.2 r180
P3: Top Overlay "9" at 57.365,70.105 h1.2 r180; Top Overlay "10" at 58.165,72.645 h1.2 r180; Top Overlay "2" at 43.725,72.645 h1.2 r180; Top Overlay "1" at 43.625,70.105 h1.2 r180
Pwr1: Top Overlay "+5V  GND" at 17.37,46.075 h1.2 r180; Top Overlay "AC/DC 5V 3W" at 19.47,31.275 h1.2 r180; Top Overlay "230V" at 14.67,22.275 h1.2 r180; Top Overlay "AC  AC" at 16.07,19.575 h1.2 r180